# Altium PCB SpaceLiin_Satellite_4U_Laser_Internal_External_V1.0.0.PcbDoc (part 1 of 2) (continued)
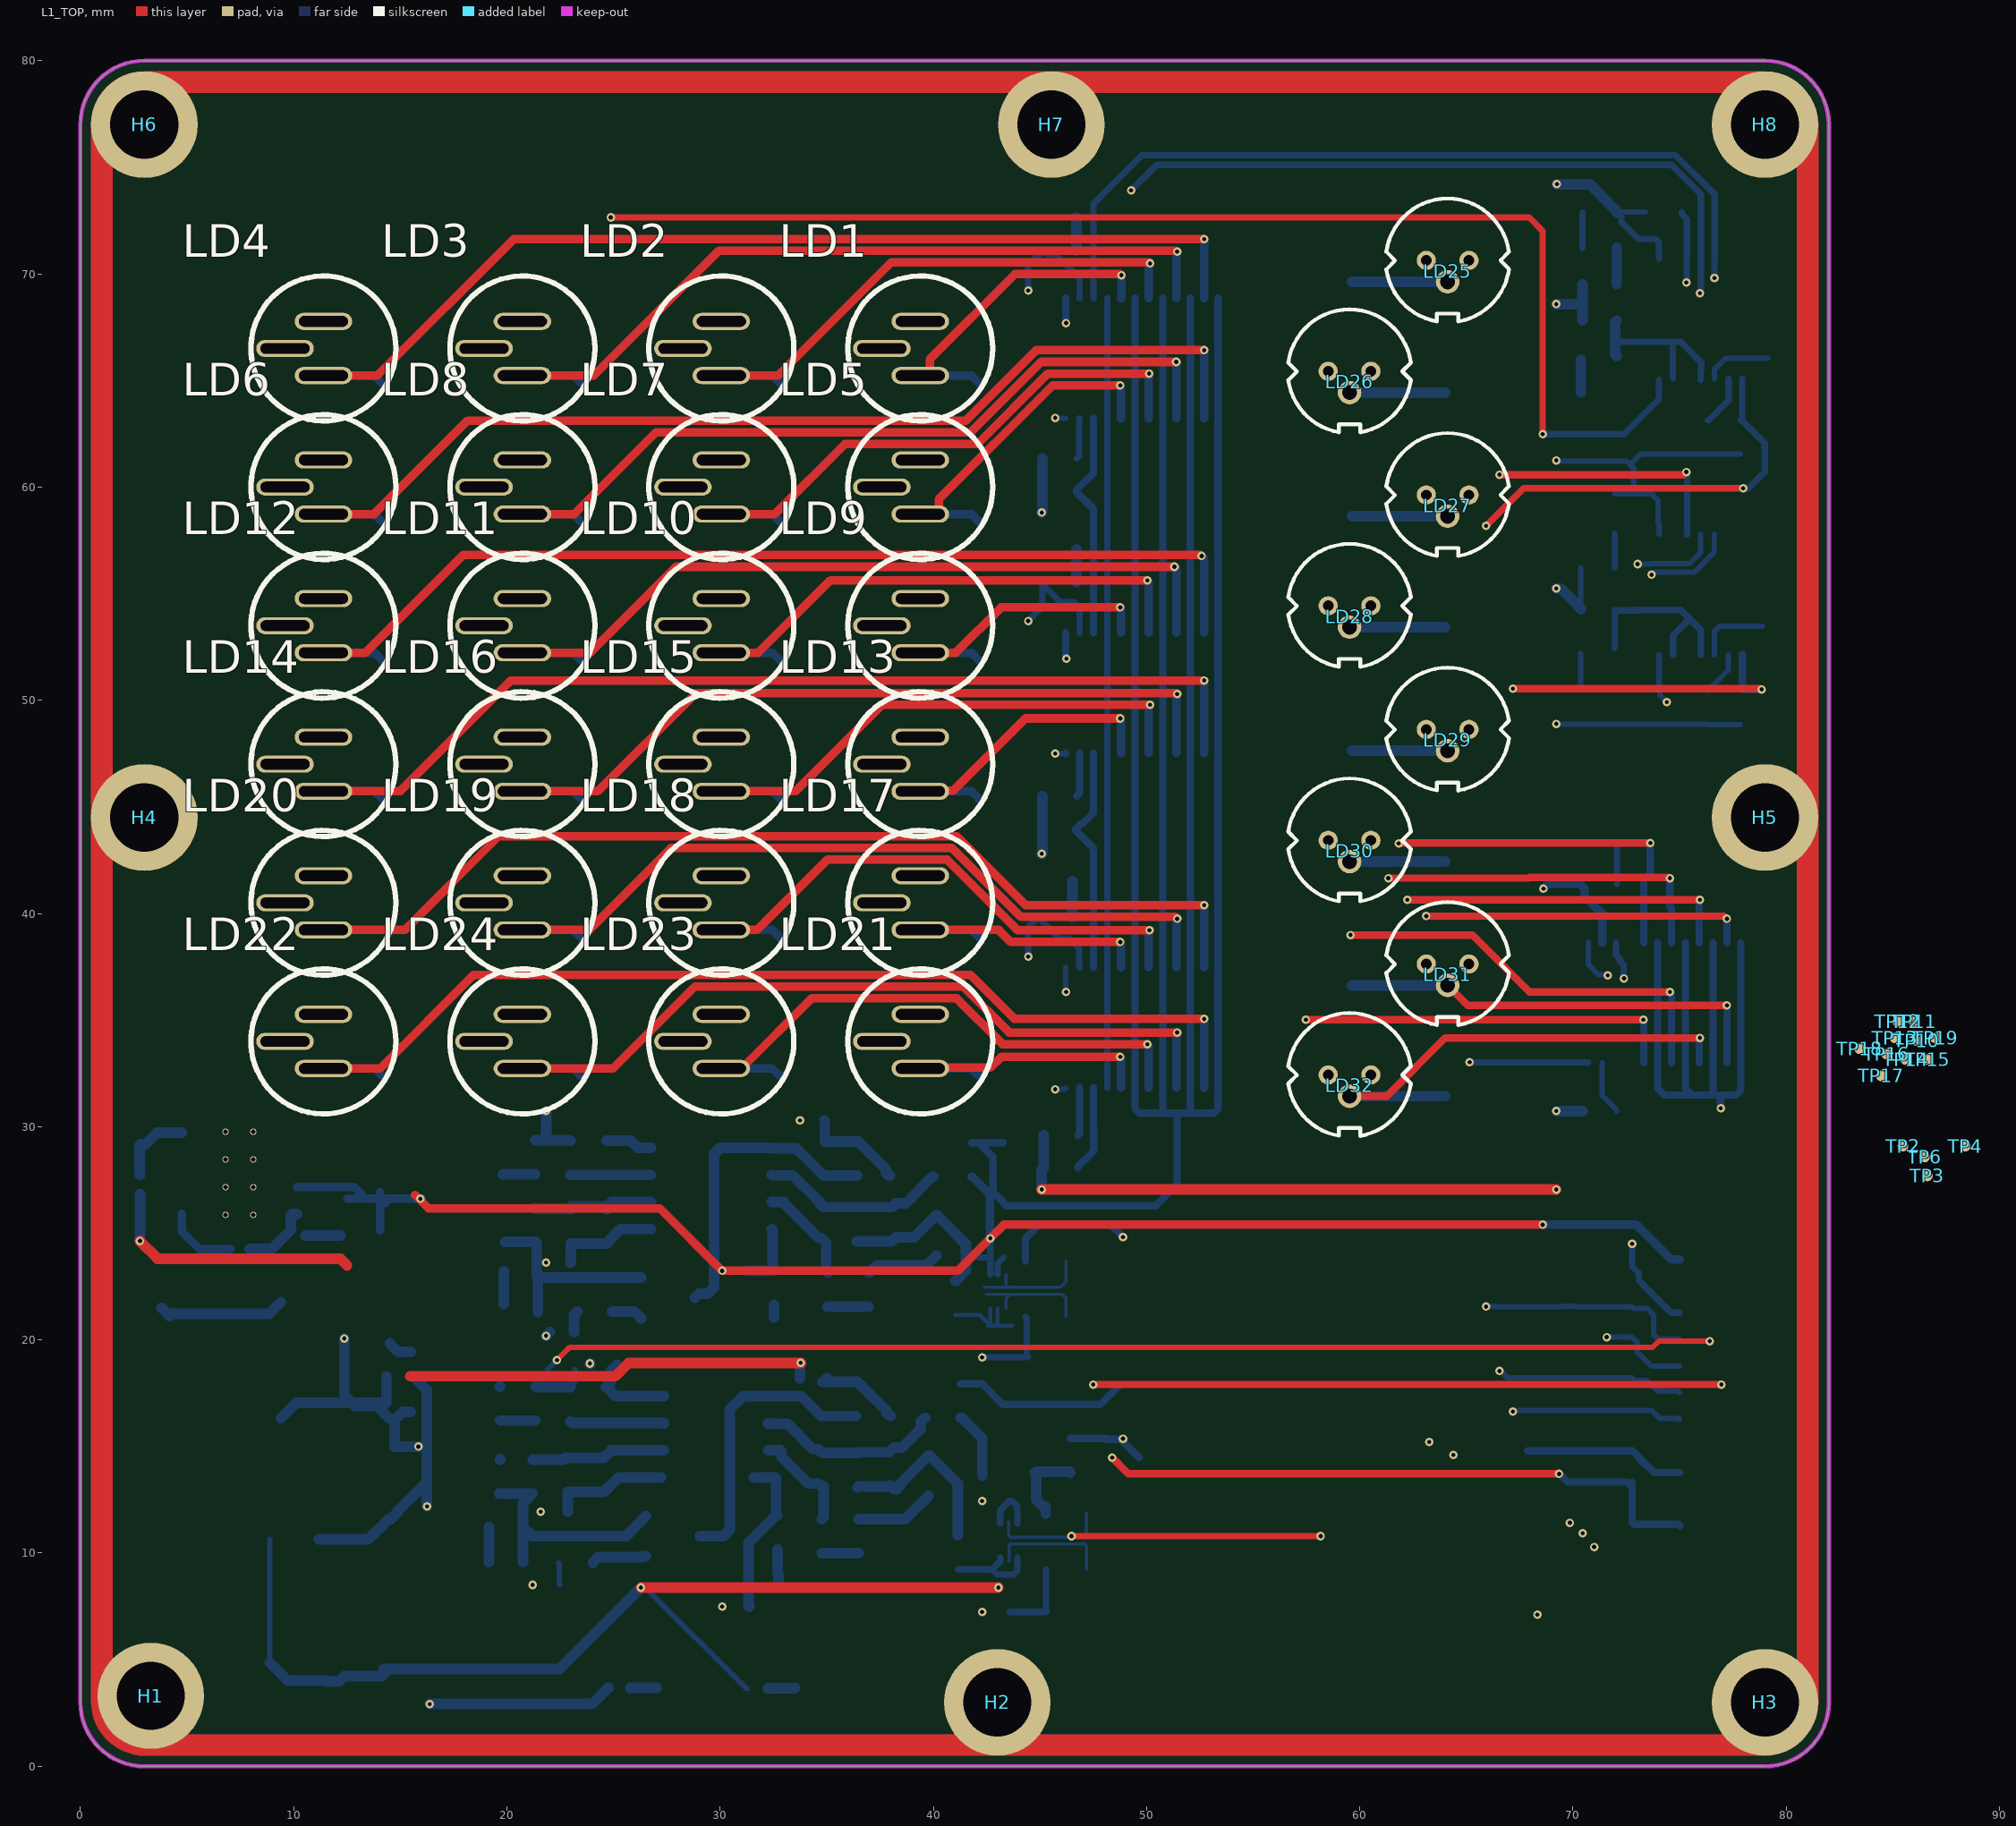
[diagram p0: L1_TOP view]
## Design rules (kind name [scope] priority, off if disabled: settings)
Clearance [All] p1: gap=0.15 ignorepadtopadclearanceinfootprint=FALSE
ComponentClearance [All] p1: gap=0 collisioncheckmode=3 verticalgap=-2 showdistances=FALSE
PolygonConnect [All] p1: connectstyle=Relief reliefconductorwidth=0.254 reliefentries=4 polygonreliefangle="90 Angle" airgapwidth=0.254
RoutingVias [All] p1: holewidth=0.2 width=0.4 viastyle="Through Hole" minholewidth=0.2 minwidth=0.4 maxholewidth=0.3 maxwidth=0.6
SolderMaskExpansion [All] p1: expansion=0.102 istentingtop=FALSE
SupplyNets "Schematic Supply Nets_8" [InNet('VREF_DAC_EXT')] p1: voltage=0.000
SupplyNets "Schematic Supply Nets_7" [InNet('VREF_DAC_INT')] p2: voltage=0.000
SupplyNets "Schematic Supply Nets_6" [InNet('5V')] p3: voltage=0.000
SupplyNets "Schematic Supply Nets_4" [InNet('I_LD_INT')] p4: voltage=0.000
SupplyNets "Schematic Supply Nets_3" [InNet('I_LD_EXT')] p5: voltage=0.000
SupplyNets "Schematic Supply Nets_2" [InNet('3V3')] p6: voltage=0.000
SupplyNets "Schematic Supply Nets_1" [InNet('GND')] p7: voltage=0.000
SupplyNets "Schematic Supply Nets" [InNet('12V_EXP')] p8: voltage=0.000
Width [All] p1: maxlimit=5 minlimit=0.1 preferedwidth=0.5 minimp=50.000000 maximp=50.000000 favimp=50.000000
29 further rules are at their usual default settings.

## Classes and differential pairs
component class MOUNTING: H1 H2 H3 H4 H5 H6 H7 H8
net class POWER: 3V3 12V_EXP
component class 6_SWITCHING: C49 C50 C51 C52 C53 C54 C55 C56 D10 D11 D12 D13 D14 D15 D16 D17 D18 D19 D20 D21 D22 D23 D24 D25 D26 D27 D28 D29 D30 D31 D32 D33 D36 D37 D38 D39 D40 D41 D42 D43 LD1 LD2 LD3 LD4 LD5 LD6 LD7 LD8 LD9 LD10 LD11 LD12 LD13 LD14 LD15 LD16 LD17 LD18 LD19 LD20 LD21 LD22 LD23 LD24 LD25 LD26 LD27 LD28 LD29 LD30 LD31 LD32 R38 R39 R40 R41 R42 R43 R44 TP10 TP11 TP12 TP13 TP14 TP15 TP16 TP17 TP18 TP19 U3 U8 U9 U10
component class 5_CURRENT_SOURCE: C9 C10 C11 C12 C13 C14 C15 C16 C17 C18 C19 C21 C22 C23 C25 C26 C29 C30 C31 C32 C33 C34 C37 C38 C39 C40 C41 C42 C43 C47 C48 C58 C59 C60 C61 C62 FB1 FB2 Q1 Q2 Q3 Q4 R3 R6 R7 R8 R9 R10 R11 R12 R13 R14 R15 R16 R17 R18 R19 R20 R21 R22 R23 R24 R25 R26 R27 R28 R29 R30 R31 R32 R33 R34 R35 R36 R37 R45 R46 R47 TP7 TP8 TP9 TP20 TP21 TP22 U2 U4 U5 U6 U7 U12
component class 4_COMMUNICATION: D4 D5 D6 D7 D8 D9 D34 D35 D44 J1 J2 J3 TP2 TP3 TP4 TP5 TP6
component class "3_POWER SWITCH AND LDO": C1 C2 C3 C4 C5 C6 C7 C8 D1 D2 D3 L1 R1 R2 R4 R5 TP1 U1 U11

## Components (designator, comment, footprint, x,y, rotation, side; value= is the part's Value field where it differs from the comment)
C1 "10nF/16V" CAP_C_1005X50_L 7.493,24.257 r180 bottom
C2 "1uF/20V" CAP_C_1608X80 12.192,25.946 r90 bottom
C3 "47uF/25V" "CAP TANT 2312" 14.986,27.813 r90 bottom
C4 "1uF/20V" CAP_C_1608X80 16.04,13.462 r180 bottom
C5 "47uF/25V" "CAP TANT 2312" 15.494,18.034 r90 bottom
C6 "10uF/20V" CAP_C_2012X110 15.759,11.176 r0 bottom
C7 "47uF/25V" CAP_C_3225X80 14.224,5.969 r270 bottom
C8 "47uF/25V" CAP_C_3225X80 17.78,5.969 r270 bottom
C9 "470pF/50V" CAP_C_1608X80 21.336,28.575 r90 bottom
C10 "0.22uF/25V" CAP_C_1608X80 32.533,22.447 r90 bottom
C11 "0.22uF/25V" CAP_C_1608X80 37.964,28.499 r270 bottom
C12 "470pF/50V" CAP_C_1608X80 19.812,28.575 r270 bottom
C13 "12pF/50V" CAP_C_1608X80 36.417,25.428 r270 bottom
C14 "470pF/50V" CAP_C_1608X80 21.336,17.018 r90 bottom
C15 "470pF/50V" CAP_C_1608X80 19.685,17.018 r270 bottom
C16 "0.22uF/25V" CAP_C_1608X80 71.247,72.885 r0 bottom
C17 "470pF/50V" CAP_C_1608X80 36.444,28.499 r90 bottom
C18 "470pF/50V" CAP_C_1608X80 34.893,25.428 r90 bottom
C19 "470pF/50V" CAP_C_1608X80 56.769,21.717 r90 bottom
C21 "100pF/25V" CAP_C_1608X80 24.65,25.324 r270 bottom
C22 "12pF/50V" CAP_C_1608X80 22.999,25.324 r270 bottom
C23 "0.22uF/25V" CAP_C_1608X80 46.384,19.186 r180 bottom
C25 "0.22uF/25V" CAP_C_1608X80 71.247,66.138 r0 bottom
C26 "0.22uF/25V" CAP_C_1608X80 71.247,69.512 r180 bottom
C29 "0.22uF/25V" CAP_C_1608X80 71.247,64.451 r180 bottom
C30 "0.22uF/25V" CAP_C_1608X80 71.247,71.199 r0 bottom
C31 "100pF/25V" CAP_C_1608X80 20.663,22.927 r0 bottom
C32 "12pF/50V" CAP_C_1608X80 20.663,21.312 r0 bottom
C33 "0.22uF/25V" CAP_C_1608X80 32.674,10.968 r90 bottom
C34 "0.22uF/25V" CAP_C_1608X80 38.002,17.23 r270 bottom
C37 "12pF/50V" CAP_C_1608X80 36.445,13.89 r270 bottom
C38 "470pF/50V" CAP_C_1608X80 36.405,17.23 r90 bottom
C39 "470pF/50V" CAP_C_1608X80 34.794,13.928 r90 bottom
C40 "470pF/50V" CAP_C_1608X80 48.071,14.582 r270 bottom
C41 "100pF/25V" CAP_C_1608X80 24.507,13.674 r270 bottom
C42 "12pF/50V" CAP_C_1608X80 22.856,13.674 r270 bottom
C43 "0.22uF/25V" CAP_C_1608X80 46.101,7.239 r180 bottom
C47 "100pF/25V" CAP_C_1608X80 19.964,11.22 r0 bottom
C48 "12pF/50V" CAP_C_1608X80 19.964,9.569 r0 bottom
C49 "0.22uF/25V" CAP_C_1608X80 45.922,71.09 r180 bottom
C50 "0.22uF/25V" CAP_C_1608X80 45.922,72.644 r0 bottom
C51 "0.22uF/25V" CAP_C_1608X80 71.155,41.402 r180 bottom
C52 "0.22uF/25V" CAP_C_1608X80 71.155,43.053 r0 bottom
C53 "0.22uF/25V" CAP_C_1608X80 45.922,55.499 r180 bottom
C54 "0.22uF/25V" CAP_C_1608X80 45.922,57.132 r0 bottom
C55 "0.22uF/25V" CAP_C_1608X80 45.72,39.836 r180 bottom
C56 "0.22uF/25V" CAP_C_1608X80 45.72,41.514 r0 bottom
C58 "0.22uF/25V" CAP_C_1608X80 71.155,59.677 r0 bottom
C59 "0.22uF/25V" CAP_C_1608X80 71.155,52.474 r0 bottom
C60 "0.22uF/25V" CAP_C_1608X80 71.155,56.076 r180 bottom
C61 "0.22uF/25V" CAP_C_1608X80 71.155,50.673 r180 bottom
C62 "0.22uF/25V" CAP_C_1608X80 71.155,57.877 r0 bottom
D1 "SS54" DO-214AC_SMA 3.81,19.449 r270 bottom
D2 "LED_YELLOW" LED_0603 27.813,3.683 r180 bottom
D3 "LED_RED" LED_0603 34.29,3.683 r180 bottom
D4 "S2303" SOT23-3-132 51.943,9.906 r180 bottom
D5 "S2303" SOT23-3-132 55.515,9.906 r180 bottom
D6 "S2303" SOT23-3-132 59.088,9.906 r180 bottom
D7 "S2303" SOT23-3-132 62.66,9.906 r180 bottom
D8 "S2303" SOT23-3-132 66.233,9.906 r180 bottom
D9 "S2303" SOT23-3-132 71.521,12.38 r270 bottom
D10 "1N4148W-TP" SOD23 42.304,68.151 r270 bottom value=1N5007
D11 "1N4148W-TP" SOD23 32.974,68.151 r270 bottom value=1N5007
D12 "1N4148W-TP" SOD23 23.644,68.151 r270 bottom value=1N5007
D13 "1N4148W-TP" SOD23 14.314,68.151 r270 bottom value=1N5007
D14 "1N4148W-TP" SOD23 42.304,61.651 r270 bottom value=1N5007
D15 "1N4148W-TP" SOD23 14.314,61.651 r270 bottom value=1N5007
D16 "1N4148W-TP" SOD23 32.974,61.651 r270 bottom value=1N5007
D17 "1N4148W-TP" SOD23 23.644,61.651 r270 bottom value=1N5007
D18 "1N4148W-TP" SOD23 42.304,55.151 r270 bottom value=1N5007
D19 "1N4148W-TP" SOD23 32.974,55.151 r270 bottom value=1N5007
D20 "1N4148W-TP" SOD23 23.644,55.151 r270 bottom value=1N5007
D21 "1N4148W-TP" SOD23 14.314,55.151 r270 bottom value=1N5007
D22 "1N4148W-TP" SOD23 42.304,48.651 r270 bottom value=1N5007
D23 "1N4148W-TP" SOD23 14.314,48.651 r270 bottom value=1N5007
D24 "1N4148W-TP" SOD23 32.974,48.651 r270 bottom value=1N5007
D25 "1N4148W-TP" SOD23 23.644,48.651 r270 bottom value=1N5007
D26 "1N4148W-TP" SOD23 42.304,42.151 r270 bottom value=1N5007
D27 "1N4148W-TP" SOD23 32.974,42.151 r270 bottom value=1N5007
D28 "1N4148W-TP" SOD23 23.644,42.151 r270 bottom value=1N5007
D29 "1N4148W-TP" SOD23 14.314,42.151 r270 bottom value=1N5007
D30 "1N4148W-TP" SOD23 42.304,35.651 r270 bottom value=1N5007
D31 "1N4148W-TP" SOD23 14.314,35.651 r270 bottom value=1N5007
D32 "1N4148W-TP" SOD23 32.974,35.651 r270 bottom value=1N5007
D33 "1N4148W-TP" SOD23 23.644,35.651 r270 bottom value=1N5007
D34 "S2303" SOT23-3-132 71.521,15.748 r270 bottom
D35 "S2303" SOT23-3-132 71.521,19.177 r270 bottom
D36 "1N4148W-TP" SOD23 56.354,69.63 r0 bottom value=1N5007
D37 "1N4148W-TP" SOD23 67.286,64.43 r180 bottom locked value=1N5007
D38 "1N4148W-TP" SOD23 56.354,58.63 r0 bottom value=1N5007
D39 "1N4148W-TP" SOD23 67.286,53.43 r180 bottom locked value=1N5007
D40 "1N4148W-TP" SOD23 56.354,47.63 r0 bottom value=1N5007
D41 "1N4148W-TP" SOD23 67.286,42.43 r180 bottom locked value=1N5007
D42 "1N4148W-TP" SOD23 56.354,36.63 r0 bottom value=1N5007
D43 "1N4148W-TP" SOD23 67.286,31.43 r180 bottom locked value=1N5007
D44 "S2303" SOT23-3-132 71.521,22.479 r270 bottom
FB1 "BLM18PG121SN1D" IND_C_1608X60 71.247,67.812 r180 bottom
FB2 "BLM18PG121SN1D" IND_C_1608X60 71.155,54.262 r180 bottom
H1 "hole_space" HEX-M3_NoVia_Smaller 3.3,3.3 r0 top locked
H2 "hole_space" HEX-M3_NoVia_Smaller 43,3 r0 top locked
H3 "hole_space" HEX-M3_NoVia_Smaller 79,3 r0 top locked
H4 "hole_space" HEX-M3_NoVia_Smaller 3,44.5 r0 top locked
H5 "hole_space" HEX-M3_NoVia_Smaller 79,44.5 r0 top locked
H6 "hole_space" HEX-M3_NoVia_Smaller 3,77 r0 top
H7 "hole_space" HEX-M3_NoVia_Smaller 45.536,77 r0 top locked
H8 "hole_space" HEX-M3_NoVia_Smaller 79,77 r0 top locked
J1 "0532611171" MOLEX_0532611171 61,3.8 r180 bottom locked
J2 "0532611171" MOLEX_0532611171 78.2,20.75 r270 bottom
J3 "CLP-111-02-X-D" SAMTEC_CLP-111-02-X-D 60.5,15 r180 bottom locked
L1 "SRP7050TA-220M" PSM6050 9.398,19.05 r0 bottom
LD1 "LaserDiode" OPV302 39.39,66.5 r0 top locked
LD2 "LaserDiode" OPV302 30.06,66.5 r0 top locked
LD3 "LaserDiode" OPV302 20.73,66.5 r0 top locked
LD4 "LaserDiode" OPV302 11.4,66.5 r0 top locked
LD5 "LaserDiode" OPV302 39.39,60 r0 top locked
LD6 "LaserDiode" OPV302 11.4,60 r0 top locked
LD7 "LaserDiode" OPV302 30.06,60 r0 top locked
LD8 "LaserDiode" OPV302 20.73,60 r0 top locked
LD9 "LaserDiode" OPV302 39.39,53.5 r0 top locked
LD10 "LaserDiode" OPV302 30.06,53.5 r0 top locked
LD11 "LaserDiode" OPV302 20.73,53.5 r0 top locked
LD12 "LaserDiode" OPV302 11.4,53.5 r0 top locked
LD13 "LaserDiode" OPV302 39.39,47 r0 top locked
LD14 "LaserDiode" OPV302 11.4,47 r0 top locked
LD15 "LaserDiode" OPV302 30.06,47 r0 top locked
LD16 "LaserDiode" OPV302 20.73,47 r0 top locked
LD17 "LaserDiode" OPV302 39.39,40.5 r0 top locked
LD18 "LaserDiode" OPV302 30.06,40.5 r0 top locked
LD19 "LaserDiode" OPV302 20.73,40.5 r0 top locked
LD20 "LaserDiode" OPV302 11.4,40.5 r0 top locked
LD21 "LaserDiode" OPV302 39.39,34 r0 top locked
LD22 "LaserDiode" OPV302 11.4,34 r0 top locked
LD23 "LaserDiode" OPV302 30.06,34 r0 top locked
LD24 "LaserDiode" OPV302 20.73,34 r0 top locked
LD25 "LaserDiode" RLD65NZX1 64.12,70.63 r90 top locked
LD26 "LaserDiode" RLD65NZX1 59.52,65.43 r90 top locked
LD27 "LaserDiode" RLD65NZX1 64.12,59.63 r90 top locked
LD28 "LaserDiode" RLD65NZX1 59.52,54.43 r90 top locked
LD29 "LaserDiode" RLD65NZX1 64.12,48.63 r90 top
LD30 "LaserDiode" RLD65NZX1 59.52,43.43 r90 top locked
LD31 "LaserDiode" RLD65NZX1 64.12,37.63 r90 top
LD32 "LaserDiode" RLD65NZX1 59.52,32.43 r90 top locked
Q1 "DMG302PU-7" SOT23-3-132 41.402,24.892 r90 bottom
Q2 "DMG301NU-7" SOT23-3-132 27.559,21.971 r90 bottom
Q3 "DMG302PU-7" SOT23-3-132 41.046,13.633 r90 bottom
Q4 "DMG301NU-7" SOT23-3-132 27.79,10.795 r90 bottom
R1 "1k" RES_C_1005X40 25.283,3.683 r180 bottom
R2 "10k" RES_C_1005x30_L 2.794,27.305 r270 bottom
R3 "30R/0.1%" RES_SMD_0603_SHUNT 43.41,22.263 r270 bottom
R4 "3.24k" RES_C_1005x30_L 2.794,29.594 r270 bottom
R5 "3.24k" RES_C_1005X40 31.76,3.644 r180 bottom
R6 "140R/0.1%" RES_C_1608X60 41.021,21.971 r270 bottom
R7 "30K/0.1%" RES_C_1608X60 38.068,25.428 r90 bottom
R8 "4.7k" RES_C_1608X60 74.295,72.898 r0 bottom
R9 "51R/1%" RES_C_1608X60 55.048,21.755 r270 bottom
R10 "1K/1%" RES_C_1608X60 34.911,28.499 r90 bottom
R11 "5.97K/0.1%" RES_C_1608X60 53.34,21.717 r270 bottom
R12 "4.7k" RES_C_1608X60 76.327,62.348 r270 bottom
R13 "4.7k" RES_C_1608X60 77.851,62.348 r270 bottom
R14 "11K/1%" RES_C_1608X60 22.987,28.537 r90 bottom
R15 "100R/1%" RES_C_1608X60 35.052,22.352 r90 bottom
R16 "100R/1%" RES_C_1608X60 36.957,22.352 r270 bottom
R17 "100R/1%" RES_C_1608X60 24.13,21.336 r180 bottom
R18 "4.02K/1%" RES_C_1608X60 24.638,28.537 r270 bottom
R19 "20K/0.1%" RES_C_1608X60 40.005,28.448 r270 bottom
R20 "51R/1%" RES_C_1608X60 41.783,28.448 r270 bottom
R21 "7.5R/0.1%" RES_SMD_0603_SHUNT 43.537,10.587 r270 bottom
R22 "1K/1%" RES_C_1608X60 21.336,25.4 r90 bottom
R23 "1K/1%" RES_C_1608X60 19.812,25.4 r270 bottom
R24 "34.8R/0.1%" RES_C_1608X60 41.148,10.033 r270 bottom
R25 "30K/0.1%" RES_C_1608X60 37.973,13.97 r90 bottom
R26 "51R/1%" RES_C_1608X60 46.42,14.582 r90 bottom
R27 "1K/1%" RES_C_1608X60 34.794,17.23 r90 bottom
R28 "5.97K/0.1%" RES_C_1608X60 44.769,14.582 r90 bottom
R29 "11K/1%" RES_C_1608X60 22.983,16.976 r90 bottom
R30 "100R/1%" RES_C_1608X60 34.777,10.795 r90 bottom
R31 "100R/1%" RES_C_1608X60 36.503,10.795 r270 bottom
R32 "100R/1%" RES_C_1608X60 23.241,9.525 r180 bottom
R33 "4.02K/1%" RES_C_1608X60 24.634,16.976 r270 bottom
R34 "20K/0.1%" RES_C_1608X60 39.624,17.145 r270 bottom
R35 "51R/1%" RES_C_1608X60 41.275,17.145 r270 bottom
R36 "1K/1%" RES_C_1608X60 21.209,13.589 r90 bottom
R37 "1K/1%" RES_C_1608X60 19.685,13.589 r270 bottom
R38 "4.7k" RES_C_1608X60 45.921,59.817 r0 bottom
R39 "4.7k" RES_C_1608X60 45.922,61.341 r180 bottom
R40 "4.7k" RES_C_1608X60 71.247,30.734 r180 bottom
R41 "4.7k" RES_C_1608X60 45.921,43.942 r0 bottom
R42 "4.7k" RES_C_1608X60 45.922,45.506 r180 bottom
R43 "4.7k" RES_C_1608X60 45.974,28.067 r0 bottom
R44 "4.7k" RES_C_1608X60 45.974,29.591 r180 bottom
R45 "4.7k" RES_C_1608X60 74.549,59.69 r0 bottom
R46 "4.7k" RES_C_1608X60 76.454,49.657 r270 bottom
R47 "4.7k" RES_C_1608X60 77.978,49.657 r270 bottom
TP1 "" Testpoint_50 15.567,12.657 r180 bottom
TP2 "" Testpoint_50 85.471,29.083 r90 top
TP3 "" Testpoint_50 86.614,27.686 r90 top
TP4 "" Testpoint_50 88.392,29.083 r90 top
TP5 "" Testpoint_50 48.641,9.652 r90 bottom
TP6 "" Testpoint_50 86.487,28.575 r90 top
TP7 "" Testpoint_50 71.882,62.484 r180 bottom
TP8 "" Testpoint_50 79.121,66.04 r180 bottom
TP9 "" Testpoint_50 72.983,66.812 r180 bottom
TP10 "" Testpoint_50 86.106,34.036 r90 top
TP11 "" Testpoint_50 85.979,34.925 r90 top
TP12 "" Testpoint_50 85.217,34.925 r90 top
TP13 "" Testpoint_50 85.09,34.163 r90 top
TP14 "" Testpoint_50 85.598,33.147 r90 top
TP15 "" Testpoint_50 86.614,33.147 r90 top
TP16 "" Testpoint_50 84.709,33.401 r90 top
TP17 "" Testpoint_50 84.455,32.385 r90 top
TP18 "" Testpoint_50 83.439,33.655 r90 top
TP19 "" Testpoint_50 86.995,34.163 r90 top
TP20 "" Testpoint_50 74.041,50.582 r180 bottom
TP21 "" Testpoint_50 78.867,53.467 r180 bottom
TP22 "" Testpoint_50 73.025,54.229 r180 bottom
U1 "TPS5430DDAR" CONV_TPS5430DDAR 7.46,27.813 r0 bottom
U2 "MCP4902-E/ST" TSSOP14 75.991,67.905 r270 bottom
U3 "ADG1414BRUZ" TSSOP24 74.295,35.814 r270 bottom
U4 "INA139" SOT23-5 46.419,22.392 r0 bottom
U5 "OPA2192" SO8 29.591,27.102 r0 bottom value=LM358
U6 "INA139" SOT23-5 46.228,10.541 r0 bottom
U7 "OPA2192" SO8 29.435,15.452 r0 bottom value=LM358
U8 "ADG1414BRUZ" TSSOP24 49.784,66.04 r270 bottom locked
U9 "ADG1414BRUZ" TSSOP24 49.784,50.343 r270 bottom locked
U10 "ADG1414BRUZ" TSSOP24 49.784,34.646 r270 bottom locked
U11 "TPS7A4533DCQR" SOT223-6 6.477,10.541 r180 bottom
U12 "MCP4902-E/ST" TSSOP14 75.991,54.96 r270 bottom

## Footprints (in the part's own frame and the unit in brackets; to place one, negate y for a bottom-side part, rotate by r counter-clockwise, add the part's x,y. Pads: shape width x height; smd on the part's side, far side on the other; paste and mask are expansions set on the pad)
"CAP TANT 2312" [mil]
  rect 74x93 smd paste+0 mask+0: 1(-88,0) 2(88,0)
  silkscreen extent -127,-72 127,72, body extent -118,-63 118,63, height 110
CAP_C_1005X50_L [mm] "Chip Capacitor, 2-Leads, Body 1.0x0.5mm, IPC High Density"
  rrect50% 0.55x0.6 smd mask+0.05: 1(-0.45,0) 2(0.45,0)
  body extent -0.5,-0.3 0.5,0.3, height 0.2
CAP_C_1608X80 [mm] "Chip Capacitor, 2-Leads, Body 1.60x0.80mm, IPC Medium Density"
  rrect50% 0.8x0.9 smd: 1(-0.8,0) 2(0.8,0)
  silkscreen extent -0.9,-0.7 0.9,0.7, body extent -0.87,-0.48 0.87,0.48, height 0.85
CAP_C_2012X110 [mm] "Chip Capacitor, 2-Leads, Body 2.00x1.25mm, IPC High Density"
  rrect41% 1.2x1.3 smd: 1(-0.9,0) 2(0.9,0)
  silkscreen extent -1.1,-0.9 1.1,0.9, body extent -1.1,-0.72 1.1,0.72, height 1.1
CAP_C_3225X80 [mm] "Chip Capacitor, 2-Leads, Body 3.20x2.50mm, IPC Medium Density"
  rrect38% 1.3x2.7 smd: 1(-1.4,0) 2(1.4,0)
  silkscreen extent -0.6,-1.35 0.6,1.35, body extent -1.7,-1.35 1.7,1.35, height 0.75
CONV_TPS5430DDAR [mm] "IC REG BUCK ADJ 3A 8SOPWR"
  rrect10% 1.55x0.6 smd mask+0: 1(-2.7,1.905) 2(-2.7,0.635) 3(-2.7,-0.635) 4(-2.7,-1.905) 5(2.7,-1.905) 6(2.7,-0.635) 7(2.7,0.635) 8(2.7,1.905)
  round 0.3 hole 0.2 mask+0: 6(-0.65,-1.95) 6(-0.65,-0.65) 6(-0.65,0.65) 6(-0.65,1.95) 6(0.65,-1.95) 6(0.65,-0.65) 6(0.65,0.65) 6(0.65,1.95)
  rect 2.95x4.9 smd paste+0: 9(0,0)
  silkscreen extent -4.17,-2.69 1.96,2.72, body extent -3,-2.45 3,2.45, height 1.7
DO-214AC_SMA [mm] "Molded Diode, 2-Leads, Body 5.20x2.61mm, IPC Medium Density"
  rrect30% 2.55x1.65 smd: 1(-2.05,0) 2(2.05,0)
  silkscreen extent -3.6,-1.5 2.8,1.5, body extent -2.6,-1.3 2.6,1.3, height 2.4
HEX-M3_NoVia_Smaller [mm]
  round 5 / inner round 4.4 / far side round 5 hole 3.2: 1(0,0)
IND_C_1608X60 [mm] "Chip Resistor, 2-Leads, Body 1.63x0.83mm, IPC High Density"
  rrect50% 0.85x0.95 smd: 1(-0.8,0) 2(0.8,0)
  silkscreen extent -0.9,-0.7 0.9,0.7, body extent -0.87,-0.48 0.87,0.48, height 0.6
LED_0603 [mm]
  rrect50% 0.85x0.95 smd: 1(-0.775,0) 2(0.775,0)
  silkscreen extent -1.4,-0.7 0.9,0.7, body extent -0.8,-0.4 0.8,0.4, height 0.7
MOLEX_0532611171 [mm]
  rect 0.8x1.6 smd mask+0.076: 1(-6.25,2.4) 2(-5,2.4) 3(-3.75,2.4) 4(-2.5,2.4) 5(-1.25,2.4) 6(0,2.4) 7(1.25,2.4) 8(2.5,2.4) 9(3.75,2.4) 10(5,2.4) 11(6.25,2.4)
  rect 2.1x3 smd mask+0.076: M1(-8.8,-0.5) M2(8.8,-0.5)
  silkscreen extent -9.45,-2.6 9.45,3.35, body extent -9.45,-2.6 9.45,2.6, height 3.4
OPV302 [mm]
  oval 2.7x0.8 hole 0.5 slot 2.3 at 0 deg mask+0.102: 1(0,-1.27) 2(-1.8,0) 3(0,1.27)
  silkscreen extent -3.4,-3.4 3.4,3.4, body extent -6.87,-2.78 9.06,2.78, height 10.42
PSM6050 [mm]
  rect 3.5x2.95 smd: 1(0,-2.725) 2(0,2.725)
  silkscreen extent -3.58,-3.9 3.6,3.96, body extent -3.3,-3.65 3.3,3.65
RES_C_1005x30_L [mm] "Chip Resistor, 2-Leads, Body 1.0x0.5mm, IPC Medium Density"
  rrect50% 0.55x0.6 smd mask+0.05: 1(-0.45,0) 2(0.45,0)
  body extent -0.5,-0.3 0.5,0.3, height 0.2
RES_C_1005X40 [mm]
  rrect50% 0.65x0.6 smd mask+0.05: 1(-0.5,0) 2(0.5,0)
  silkscreen extent -0.04,-0.3 0.04,0.3, body extent -0.5,-0.3 0.5,0.3, height 0.2
RES_C_1608X60 [mm] "Chip Resistor, 2-Leads, Body 1.63x0.83mm, IPC High Density"
  rrect50% 0.85x0.95 smd: 1(-0.8,0) 2(0.8,0)
  silkscreen extent -0.9,-0.7 0.9,0.7, body extent -0.87,-0.48 0.87,0.48, height 0.6
RES_SMD_0603_SHUNT [mm]
  rrect10% 0.7x0.34 smd: 1(-0.8,-0.405) 1(-0.8,0.405) 2(0.8,-0.405) 2(0.8,0.405)
  rrect10% 0.7x0.17 smd: 3(-0.8,0) 4(0.8,0)
  silkscreen extent -1.4,-0.8 1.4,0.8, body extent -0.8,-0.4 0.8,0.4, height 0.43
RLD65NZX1 [mm]
  round 0.9 hole 0.5 mask+0.102: 1(0,1) 2(0,-1)
  round 1.1 hole 0.7 mask+0.102: 3(-1,0)
  silkscreen extent -2.86,-2.88 2.9,2.87, body extent -2.76,-2.78 2.8,2.77, height 3.7
SAMTEC_CLP-111-02-X-D [mil]
  rect 29x58 smd: 01(-250,63.5) 02(-250,-63.5) 03(-200,63.5) 04(-200,-63.5) 05(-150,63.5) 06(-150,-63.5) 07(-100,63.5) 08(-100,-63.5) 09(-50,63.5) 10(-50,-63.5) 11(0,63.5) 12(0,-63.5) 13(50,63.5) 14(50,-63.5) 15(100,63.5) 16(100,-63.5) 17(150,63.5) 18(150,-63.5) 19(200,63.5) 20(200,-63.5) 21(250,63.5) 22(250,-63.5)
  silkscreen extent -284,-60 284,136, body extent -284,-85 284,85, height 85
SO8 [mm]
  oval 1.8x0.6 smd: 1(-2.825,1.905) 2(-2.825,0.635) 3(-2.825,-0.635) 4(-2.825,-1.905) 5(2.825,-1.905) 6(2.825,-0.635) 7(2.825,0.635) 8(2.825,1.905)
  silkscreen extent -2.95,-2.55 1.68,2.98, body extent -2.99,-2.45 3,2.45, height 1.6
SOD23 [mm]
  rect 0.91x1.22 smd: 1(0.016,0) 2(3.286,0)
  silkscreen extent -0.76,-1.02 4.06,1.02, body extent -0.22,-0.85 3.53,0.85, height 1.2
SOT23-3-132 [mm]
  rect 0.9x0.95 smd: 1(-0.95,-1.25) 2(0.95,-1.25) 3(0,1.25)
  silkscreen extent -1.3,-0.38 1.3,1.25, body extent -1.52,-1.23 1.48,1.27, height 1.06
SOT23-5 [mm]
  rect 0.62x1.22 smd mask+0.076: 1(-0.953,-1.31) 2(-0.003,-1.31) 3(0.947,-1.31) 4(0.952,1.31) 5(-0.953,1.31)
  silkscreen extent -1.69,-2.14 1.69,2.14, body extent -1.5,-1.5 1.5,1.5, height 1.41
SOT223-6 [mm]
  rect 2.346x0.632 smd paste+0 mask+0: 1(-3.01,2.54) 2(-3.01,1.27) 3(-3.01,0) 4(-3.01,-1.27) 5(-3.01,-2.54)
  rect 2.346x3.172 smd paste+0 mask+0: 6(3.01,0)
  silkscreen extent -3.14,-3.25 1.6,3.65, body extent -3.55,-3.25 3.55,3.25, height 1.66
Testpoint_50 [mm]
  round 0.5 smd paste-2539.97 mask+0: 1(0,0)
TSSOP14 [mm]
  oval 1.25x0.35 smd mask+0.05: 1(-2.825,1.95) 2(-2.825,1.3) 3(-2.825,0.65) 4(-2.825,0) 5(-2.825,-0.65) 6(-2.825,-1.3) 7(-2.825,-1.95) 8(2.825,-1.95) 9(2.825,-1.3) 10(2.825,-0.65) 11(2.825,0) 12(2.825,0.65) 13(2.825,1.3) 14(2.825,1.95)
  silkscreen extent -2.95,-2.5 1.8,2.63, body extent -3.23,-2.55 3.23,2.55, height 1.25
TSSOP24 [mm]
  rect 1.5x0.35 smd mask+0.08: 1(-2.819,3.575) 2(-2.819,2.925) 3(-2.819,2.275) 4(-2.819,1.625) 5(-2.819,0.975) 6(-2.819,0.325) 7(-2.819,-0.325) 8(-2.819,-0.975) 9(-2.819,-1.625) 10(-2.819,-2.275) 11(-2.819,-2.925) 12(-2.819,-3.575) 13(2.819,-3.575) 14(2.819,-2.925) 15(2.819,-2.275) 16(2.819,-1.625) 17(2.819,-0.975) 18(2.819,-0.325) 19(2.819,0.325) 20(2.819,0.975) 21(2.819,1.625) 22(2.819,2.275) 23(2.819,2.925) 24(2.819,3.575)
  silkscreen extent -5.28,-4 1.8,4, body extent -3.23,-3.95 3.23,3.95, height 1.25

## Part data
C1 C2 C4 C9 C10 C11 C12 C13 C14 C15 C16 C17 C18 C19 C21 C22 C23 C25 C26 C29 C30 C31 C32 C33 C34 C37 C38 C39 C40 C41 C42 C43 C47 C48 C49 C50 C51 C52 C53 C54 C55 C56 C58 C59 C60 C61 C62: library part _CAP_C_2, "CAP"
C3 C5 C6 C7 C8: library part _CAP_C_High_2, "CAP High Value"
D1: library part "DIODE SCHOTTKY", "DIODE SCHOTTKY"
D10 D11 D12 D13 D14 D15 D16 D17 D18 D19 D20 D21 D22 D23 D24 D25 D26 D27 D28 D29 D30 D31 D32 D33 D36 D37 D38 D39 D40 D41 D42 D43: library part "Diode SMD", Code - JEDEC=DO-214-AB, Published=8-Jun-2000, Publisher="Altium Limited", Revision="July-2002: Re-released for DXP Platform."
FB1 FB2: library part _IND
J1 J2: library part "Header 11x1_2M"
J3: "CLP - Samtec 1.27mm Tiger Claw Rugged Reliable Dual Wipe Socket Strip", Package=None, Check_prices=https://www.snapeda.com/parts/CLP-111-02-L-D/Samtec/view-part/?ref=eda, MF=Samtec, MP=CLP-111-02-L-D, SnapEDA_Link=https://www.snapeda.com/parts/CLP-111-02-L-D/Samtec/view-part/?ref=snap
L1: "FIXED IND 22UH 2.5A 170 MOHM SMD"
LD1 LD2 LD3 LD4 LD5 LD6 LD7 LD8 LD9 LD10 LD11 LD12 LD13 LD14 LD15 LD16 LD17 LD18 LD19 LD20 LD21 LD22 LD23 LD24: library part LD, "OPV302"
LD25 LD26 LD27 LD28 LD29 LD30 LD31 LD32: library part LD_RLD65NZX1, "RLD65NZX1"
Q1 Q3: library part P_MOSFET
Q2 Q4: library part N_MOSFET
R1 R2 R4 R5 R6 R7 R8 R9 R10 R11 R12 R13 R14 R15 R16 R17 R18 R19 R20 R22 R23 R24 R25 R26 R27 R28 R29 R30 R31 R32 R33 R34 R35 R36 R37 R38 R39 R40 R41 R42 R43 R44 R45 R46 R47: library part _RES_B_2, "RES"
R3: library part RES_SMD_SHUNT, "RN73R1JTTD30R0B25"
R21: library part RES_SMD_SHUNT, "RT0603BRD077R5L"
TP1 TP2 TP3 TP4 TP5 TP6 TP7 TP8 TP9 TP10 TP11 TP12 TP13 TP14 TP15 TP16 TP17 TP18 TP19 TP20 TP21 TP22: library part "Test Point", "Test Point", Solder=NF
U1: "5.5V to 36V Input, 3A, 500kHz Step-Down Converter", Package="HSOIC-8 Texas Instruments", Availability="In Stock", Check_prices=https://www.snapeda.com/parts/TPS5430DDAR/Texas+Instruments/view-part/?ref=eda, MF="Texas Instruments", MP=TPS5430DDAR, Price=None, Purchase-URL=https://pricing.snapeda.com/search/part/TPS5430DDAR/?ref=eda, SnapEDA_Link=https://www.snapeda.com/parts/TPS5430DDAR/Texas+Instruments/view-part/?ref=snap
U2 U12: library part MCP4902
U4 U6: "INA139NA/250"
U5 U7: library part LM358, "OPA2192IDR"

## Via types
v1: diameter 0.4, hole 0.2, L1_TOP to L4_BOT, 121 vias

## Nets (pads, with @x,y where several pads share a name; then routed paths per layer and width w, separated by ;. In a path a pad name is that pad's centre, name@x,y a point inside that pad or via, vN(x,y) a via of type N, cw(c..) or ccw(c..) an arc to the next point about the centre after c; other vN are vias at no path point)
3V3: C7.2 C8.2 C16.2 C26.2 C58.2 C60.2 FB1.2 FB2.2 R5.2 R8.1 R12.2 R13.2 R38.1 R39.2 R40.2 R41.1 R42.2 R43.1 R44.2 R45.1 R46.2 R47.2 U2.1 U11.4 U11.5 U12.1 | length 217.8
  L1_TOP w0.5: v1(26.289,8.382) v1(43.053,8.382) ; v1(45.085,27.051) v1(69.215,27.051)
  L3_SIGNAL w0.254: v1(43.053,8.382) 43.053,23.876 45.113,25.936 45.113,27.023 v1(45.085,27.051) v1(45.085,42.799) v1(45.085,58.801)
  L3_SIGNAL w0.5: v1(69.215,27.051) v1(69.215,48.895) v1(69.215,55.245) v1(69.215,61.253) v1(69.215,68.58) 69.215,74.182 v1(69.244,74.211)
  L4_BOT w0.254: 8.89,4.847 8.89,10.647 ; 26.525,8.354 31.235,3.644 R5.2@31.26,3.644 ; 27.559,8.382 27.587,8.354 27.795,8.354 ; v1(69.215,48.895) 69.234,48.876 76.308,48.876 76.327,48.857 R47.2@77.851,48.857 ; v1(69.215,61.253) 69.254,61.214 72.517,61.214 72.681,61.05 ; FB2.2@70.355,54.602 C60.2@70.355,56.218 ; C58.2@71.955,59.677 72.846,59.677 ; C16.2@72.047,72.885 72.053,72.892 R8.1@73.405,72.892 ; R45.1@73.736,59.677 72.846,59.677 ; R45.1@73.78,59.563 73.994,59.349 73.994,58.308 74.041,58.261 U12.1@74.041,57.785 ; R13.2@77.851,61.548 R12.2@76.327,61.548 73.18,61.548 72.681,61.05 ; 72.681,61.05 72.846,60.885 72.846,59.677
  L4_BOT w0.3: C16.2@72.047,72.885 72.266,72.666 72.266,72.437 73.063,71.64 73.856,71.64 74.031,71.465 74.031,70.74 U2.1@74.041,70.73
  L4_BOT w0.5: 8.89,4.847 9.715,4.022 11.472,4.022 11.515,3.979 12.128,3.979 12.378,4.229 14.141,4.229 C7.2@14.353,4.441 ; C7.2@14.224,4.569 C8.2@17.78,4.569 22.476,4.569 v1(26.289,8.382) ; v1(45.085,27.051) 45.085,27.978 R43.1@45.174,28.067 R44.2@45.174,29.591 ; v1(45.085,42.799) 45.121,42.835 R41.1@45.121,43.942 R42.2@45.121,45.506 ; v1(45.085,58.801) 45.121,58.837 R38.1@45.121,59.817 R39.2@45.121,61.341 ; v1(69.215,30.734) R40.2@70.447,30.734 ; v1(69.215,55.245) 69.422,55.245 70.355,54.312 FB2.2@70.355,54.262 ; v1(69.215,68.58) 70.447,68.58 ; v1@69.254,74.201 70.781,74.201 72.047,72.935 C16.2@72.047,72.885 ; FB1.2@70.447,67.812 70.447,68.326 70.447,68.58 ; C26.2@70.447,69.512 70.447,68.58
5V: C4.2 C5.1 C6.1 C11.2 C17.2 C34.2 C38.2 L1.2 R1.2 R2.2 R10.2 R27.2 TP1.1 U11.1 U11.2 | length 97.6
  L1_TOP w0.5: v1(2.794,24.638) 3.625,23.807 12.19,23.807 12.503,23.494 ; 15.473,18.294 25.085,18.294 25.713,18.923 v1(33.782,18.923)
  L3_SIGNAL w0.5: v1(16.256,12.192) 16.256,3.048 v1(16.383,2.921) ; v1(33.746,30.299) 33.746,18.959 v1(33.782,18.923)
  L4_BOT w0.5: v1(2.794,24.638) R2.2@2.794,26.855 ; L1.2@9.398,16.325 10.129,17.056 12.886,17.056 13.886,17.056 14.351,17.056 14.351,18.294 ; 11.19,10.647 13.507,10.647 14.428,11.568 14.478,11.568 14.528,11.568 14.878,11.918 14.878,11.968 TP1.1@15.567,12.657 16.256,13.346 ; v1(12.376,20.068) 12.376,17.417 12.886,16.907 13.886,16.907 C5.1@14.455,16.338 ; C5.1@14.963,16.465 14.732,16.234 14.732,14.995 v1(15.854,14.995) C5.1@15.996,14.995 ; C5.1@15.132,16.634 C5.1@15.494,16.634 ; 15.615,18.294 16.256,17.653 16.256,15.799 16.256,13.346 ; v1(16.256,12.192) 16.256,13.346 ; v1(16.383,2.921) 23.996,2.921 24.758,3.683 R1.2@24.783,3.683 ; 33.749,18.205 33.749,18.89 v1(33.782,18.923) ; 34.889,30.299 34.911,30.277 R10.2@34.911,29.299 36.494,29.299 37.764,28.029 37.764,27.849 37.914,27.699 C11.2@37.964,27.699 ; R27.2@35.019,18.205 34.844,18.03 R27.2@34.794,18.03 36.455,18.03 37.802,16.682 37.802,16.58 37.952,16.43 C34.2@38.002,16.43
12V_EXP: C2.2 C3.1 C10.2 C23.2 C33.2 C43.2 C49.2 C51.2 C53.2 C55.2 J1.1 J2.1 R3.1 R21.1 U1.7 U3.2 U4.5 U5.8 U6.5 U7.8 U8.2 U9.2 U10.2 | length 234.9
  L1_TOP w0.4: 15.692,26.797 16.327,26.162 27.178,26.162 v1(30.099,23.241) 41.148,23.241 v1(42.672,24.765) 43.307,25.4 v1(68.58,25.4)
  L3_SIGNAL w0.254: v1(30.099,7.493) v1(30.099,23.241)
  L3_SIGNAL w0.3: v1(42.291,7.239) v1(42.291,12.446) v1(42.291,19.177) 42.291,24.357 42.672,24.738 v1(42.672,24.765) 44.45,26.543 v1(44.45,37.973) v1(44.45,69.215)
  L3_SIGNAL w0.4: v1(68.326,7.112) 68.326,25.146 68.615,25.435 v1(68.615,41.165)
  L4_BOT w0.3: 42.151,23.863 42.672,23.863 ; v1(42.291,19.177) 42.296,19.182 44.436,19.182 44.441,19.186 44.386,19.241 44.386,21.018 44.323,21.082 ; 42.672,23.063 42.672,23.863 ; v1(42.672,24.765) 42.672,23.863 ; R3.1@43.006,23.063 43.025,23.083 43.025,23.594 43.294,23.863 ; R21.1@43.133,11.387 43.133,12.018 43.561,12.446 43.58,12.427 43.702,12.427 43.942,12.187 R21.1@43.942,11.387 ; 43.561,7.239 C43.2@45.301,7.239 45.288,7.252 45.288,9.218 U6.5@45.275,9.231 ; v1(44.45,37.973) 44.45,39.36 44.626,39.536 44.643,39.536 C55.2@44.92,39.813 ; v1(44.45,53.721) 45.121,54.392 C53.2@45.121,55.499 ; v1(44.45,69.215) 44.45,70.418 44.821,70.79 44.844,70.79 45.121,71.067 C49.2@45.121,71.09 45.285,70.927 45.728,70.927 46.43,70.224 46.444,70.224 46.853,69.815 46.853,68.865 U8.2@46.859,68.859 ; C55.2@44.92,39.836 C55.2@44.92,39.813 ; C53.2@45.121,55.449 45.96,54.61 46.609,54.61 46.859,54.36 U9.2@46.859,53.162 ; U10.2@46.859,37.465 46.834,37.49 46.834,38.365 46.37,38.829 45.904,38.829 C55.2@44.92,39.813
  L4_BOT w0.4: U1.7@10.16,27.178 12.827,27.178 13.208,26.797 ; C2.2@12.535,26.616 13.462,26.616 ; 13.208,26.616 13.462,26.616 ; C3.1@14.059,25.146 14.059,26.924 ; C3.1@14.313,26.413 14.059,26.667 ; v1(68.58,25.4) 72.976,25.4 74.6,23.776 75,23.776 ; v1(68.615,41.165) 68.852,41.402 C51.2@70.355,41.402 ; C51.2@70.295,41.402 70.545,41.152 70.545,40.811 71.372,39.983 71.372,38.635 U3.2@71.37,38.633 ; 13.462,26.616 v1@16.002,26.616 ; 14.059,26.667 14.059,26.924 ; 14.059,26.667 14.059,26.924 ; 14.059,26.667 14.059,26.924 ; 14.059,26.667 14.059,26.924 ; v1@16.002,26.616 14.059,26.616 v1@16.002,26.616
  L4_BOT w0.5: 31.242,23.241 32.472,23.241 32.474,23.239 32.474,25.151 32.428,25.197 U5.8@32.416,25.197 ; 31.369,7.493 31.34,7.522 31.34,10.484 C33.2@32.624,11.768 ; U7.8@31.575,13.547 32.578,13.547 32.624,13.501 C33.2@32.624,11.768 ; C33.2@32.674,11.768 C33.2@32.624,11.768
  other v1: 15.946,26.616
DAC_CS: D7.2 J1.6 R8.2 U2.3 | length 63.9
  L3_SIGNAL w0.3: v1(69.85,11.422) 69.85,26.773 69.9,26.823 69.9,48.988 69.85,49.038 69.85,64.135 v1(75.311,69.596)
  L4_BOT w0.3: R8.2@75.095,72.898 75.095,72.814 75.341,72.568 U2.3@75.341,70.73 75.331,70.72 75.331,70.165 75.33,70.164 75.33,69.615 v1(75.311,69.596)
DAC_DRV_EXT: C14.2 R29.2 TP20.1 U12.14 | length 90.9
  L1_TOP w0.254: v1(22.352,19.05) 22.956,19.654 48.343,19.654 48.347,19.65 73.734,19.65 74.023,19.939 v1(76.416,19.939)
  L3_SIGNAL w0.254: v1(74.4,49.911) 74.4,49.871 76.424,47.847 76.424,33.966 76.416,33.958 v1(76.416,19.939)
  L4_BOT w0.254: 21.923,18.621 v1(22.352,19.05) ; R29.2@22.983,17.776 23.193,17.986 23.193,18.621 ; TP20.1@74.041,50.515 U12.14@74.041,52.135 ; TP20.1@74.041,50.582 74.077,50.545 74.077,50.234 v1(74.4,49.911)
  L4_BOT w0.5: C14.2@21.336,17.818 21.378,17.776 R29.2@22.983,17.776
DAC_DRV_INT: C9.2 R14.2 TP7.1 U2.14 | length 106.8
  L1_TOP w0.3: v1(24.875,72.648) 67.941,72.648 68.58,72.009 v1(68.58,62.484)
  L3_SIGNAL w0.5: v1(21.844,30.734) 24.875,33.765 v1(24.875,72.648)
  L4_BOT w0.3: v1(68.58,62.484) 72.39,62.484 74.031,64.125 74.031,64.584 U2.14@74.031,65.02
  L4_BOT w0.5: C9.2@21.336,29.375 21.355,29.356 22.968,29.356 R14.2@22.987,29.337 ; 21.844,29.337 v1(21.844,30.734)
EXT_LASER_DAC: C40.1 D9.1 D9.2 J2.11 R26.2 | length 32.8
  L1_TOP w0.35: v1(48.387,14.478) 49.149,13.716 v1(69.35,13.716)
  L4_BOT w0.35: R26.2@46.42,15.382 C40.1@48.071,15.382 48.118,15.335 48.8,15.335 49.657,14.478 ; v1(69.35,13.716) 69.364,13.716 69.745,13.335 72.517,13.335 D9.1@72.771,13.081 ; D9.1@72.771,13.33 D9.1@72.771,13.081 ; 75,11.276 74.923,11.353 72.848,11.353 D9.2@72.771,11.43 D9.1@72.771,13.081
EXT_LASER_DAC_LATCH: D34.1 J2.7 R47.1 U12.8 | length 56.1
  L1_TOP w0.35: v1(67.183,50.546) 78.802,50.546 78.836,50.512 v1(78.85,50.512)
  L3_SIGNAL w0.25: v1(67.183,16.637) v1(67.183,50.546)
  L4_BOT w0.25: v1(67.183,16.637) 67.197,16.637 67.258,16.698 73.675,16.698 74.056,16.317 74.959,16.317 75,16.276
  L4_BOT w0.35: U12.8@77.941,52.135 77.941,50.545 77.984,50.502 78.84,50.502 v1(78.85,50.512)